# Altium PCB FOC_DRIVER.PcbDoc (part 2 of 4) (continued)
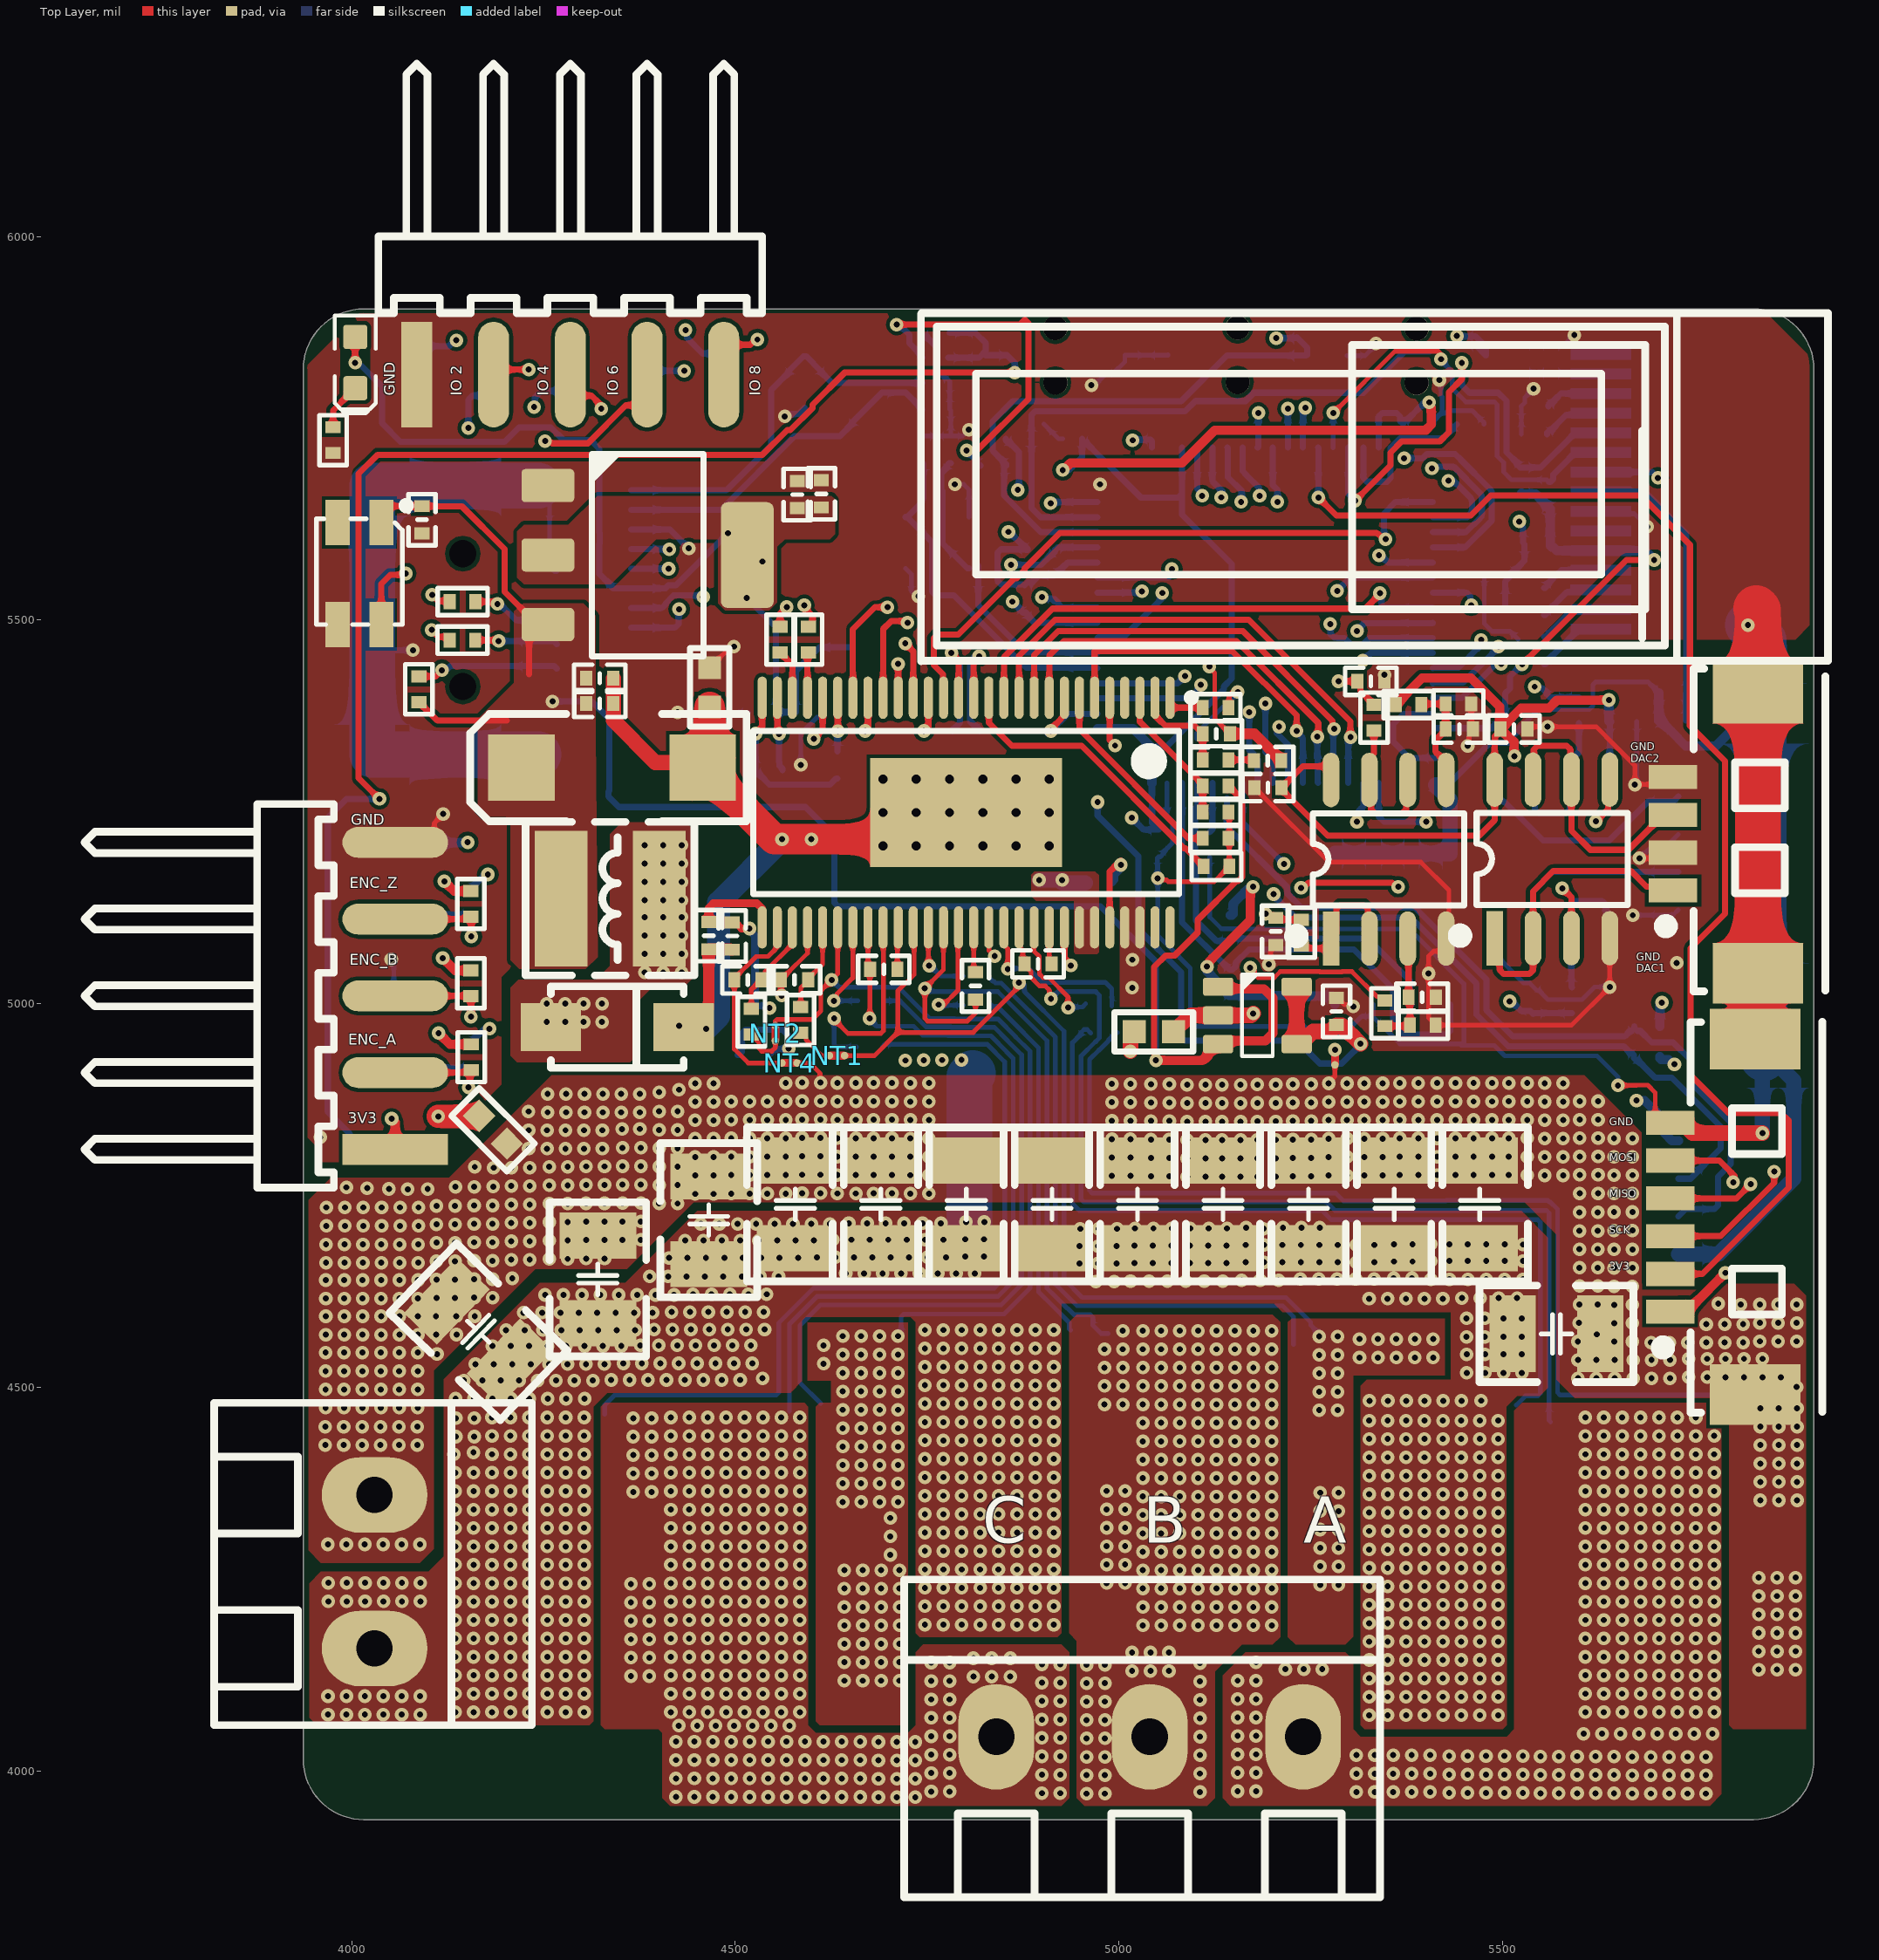
[diagram p0: Top Layer view]
## Nets (pads, with @x,y where several pads share a name; then routed paths per layer and width w, separated by ;. In a path a pad name is that pad's centre, name@x,y a point inside that pad or via, vN(x,y) a via of type N, cw(c..) or ccw(c..) an arc to the next point about the centre after c; other vN are vias at no path point) (continued)
NetC2_1: C2.1 U11.2 | length 89.3
  Bottom Layer w8: C2.1@5553.6,5478.12 5555.57,5478.12 5559.44,5481.99 5559.44,5482.18 5567.17,5489.91 5572.44,5495.18 5588.23,5510.97 5625.09,5510.97 U11.2@5627.98,5513.86
NetC2_2: C2.2 U11.1 | length 96.5
  Bottom Layer w8: C2.2@5553.6,5442.69 5555.57,5442.69 5559.45,5446.56 5559.45,5448.53 5592.58,5481.67 5592.58,5485.3 5595.47,5488.19 U11.1@5627.95,5488.19
NetC5_1: C5.1 U11.3 | length 88.8
  Bottom Layer w8: C5.1@5553.6,5506.78 5555.57,5506.78 5559.44,5510.66 5559.44,5512.63 5583.39,5536.57 5624.86,5536.57 U11.3@5627.74,5539.45
NetC5_2: C5.2 U11.4 | length 85.1
  Bottom Layer w8: C5.2@5553.6,5542.21 5555.57,5542.21 5559.44,5546.09 5559.44,5548.06 5576.43,5565.04 U11.4@5628.05,5565.04
NetC6_1: C6.1 U2.9 XT1.3 | length 453.1
  Bottom Layer w8: U2.9@4364.4,5643.77 4481.17,5643.77 4577.1,5739.7 4636.2,5739.7 4651.65,5755.14 4651.65,5757.11 4690.89,5796.36 4722.33,5796.36 C6.1@4744.08,5774.6
NetC7_2: C7.2 C8.2 U11.8 | length 377.8
  Bottom Layer w8: U11.8@5627.95,5667.32 5684.78,5667.32 5739.14,5612.96 C7.2@5739.14,5405.2 5738.71,5404.78 C8.2@5738.71,5369
NetC9_1: C9.1 U2.10 XT1.1 | length 510.4
  Bottom Layer w8: U2.10@4364.4,5669.36 4488.37,5669.36 4546.6,5727.58 4546.6,5799.7 4568.97,5822.07 4568.97,5824.04 4588.59,5843.66 4592.53,5843.66 4612.15,5824.04 4612.15,5822.88 4625.93,5809.1 4643.66,5809.1 4643.92,5809.36 4727.71,5809.36 4727.97,5809.1 C9.1@4743.98,5809.1
NetC10_2: C10.2 U1.5 XT2.3 | length 448
  Bottom Layer w8: XT2.3@4721.86,5634.36 XT2.3@4723.83,5634.36 ; C10.2@4745,5703.89 4745,5658.67 4743.45,5657.12 4743.45,5653.99 XT2.3@4723.83,5634.36 ; U1.5@4972,5437.4 4971.27,5438.13 4941.44,5438.13 4878.97,5438.13 4784.9,5532.2 4761.14,5532.2 4756.45,5536.89 4756.45,5601.74 4743.45,5614.74 XT2.3@4723.83,5634.36
NetC11_1: C11.1 C12.1 U11.14 | length 103.6
  Bottom Layer w8: C12.1@5524.9,5822.18 5626.64,5822.18 U11.14@5627.95,5820.87
NetC13_1: C13.1 U11.13 | length 76.9
  Bottom Layer w8: C13.1@5559.22,5778.4 5559.22,5780.37 5563.09,5784.24 5565.06,5784.24 5576.1,5795.28 U11.13@5627.95,5795.28
NetC14_2: C14.2 U1.6 XT2.1 | length 392.6
  Bottom Layer w8: C14.2@4780.8,5704.49 4778.83,5704.49 4774.96,5700.61 4774.96,5698.49 4768.24,5691.77 4768.24,5669.6 4769.95,5667.9 4769.95,5600.06 4802.57,5567.44 XT2.1@4804.54,5567.44 ; XT2.1@4816.6,5571.2 4816.6,5519.4 4878.18,5457.82 4971.27,5457.82 U1.6@4972,5457.09
NetC16_1: C16.1 D1.1 R8.2 U11.9 | length 412
  GND w8: v1(5521.46,5628.6) 5521.46,5628.8 5548.81,5656.15 5548.81,5659.61 5574.5,5685.3 v1(5702.3,5685.3)
  Bottom Layer w8: D1.1@5503.4,5514.92 5503.4,5550.52 5511.32,5558.43 C16.1@5511.32,5560.4 5511.32,5562.37 5515.19,5566.24 5517.16,5566.24 5528.39,5577.47 R8.2@5528.39,5599 5526.39,5600.99 5526.39,5620.84 5521.46,5625.77 v1(5521.46,5628.6) ; U11.9@5627.95,5692.91 5694.69,5692.91 v1(5702.3,5685.3)
NetC17_2: C17.2 U1.47 | length 144.7
  Bottom Layer w8: U1.47@5409,5378.35 5408.56,5377.9 5370.6,5377.9 5356.9,5364.2 5356.9,5341.9 5378.29,5320.51 C17.2@5412.5,5320.51
NetC18_2: C18.2 U1.31 | length 217.5
  Bottom Layer w8: U1.31@5318.45,5724.8 5318.45,5685.06 5323.14,5680.37 5348.91,5680.37 5353.6,5685.06 5353.6,5724.19 5366.07,5736.65 5421.64,5736.65 C18.2@5440.29,5755.3
NetC24_1: C24.1 IC3.3 R15.1 R23.2 | length 147.2
  Top Layer w8: R15.1@5346.4,4971.05 5377.97,4971.05 R23.2@5379.1,4972.18 5379.1,5006.88 C24.1@5377.3,5008.68 5377.3,5083.96 IC3.3@5376.2,5085.05
NetC40_1: C40.1 IC3.5 R24.1 R28.2 | length 146.8
  Top Layer w8: R24.1@5393.85,5390 5394.65,5390.8 R28.2@5425.59,5390.8 5425.68,5390.71 C40.1@5425.68,5358 5426.2,5357.48 5426.2,5353.9 5422.82,5353.9 5412.35,5343.43 5412.35,5328.64 5422.82,5318.18 5426.2,5318.18 IC3.5@5426.2,5291.75
NetC46_1: C46.1 R35.1 U5.2 | length 130.4
  Top Layer w8: U5.2@5046.86,5398.91 5046.86,5376.22 5048.77,5374.32 5048.77,5373.95 5060.37,5362.35 5076.69,5362.35 5076.74,5362.4 5098.61,5362.4 5103.2,5357.81 5105.17,5357.81 5109.05,5353.93 C46.1@5109.05,5351.97 R35.1@5109.05,5317.92
NetC47_1: C47.1 R35.2 | length 33.9
  Top Layer w8: R35.2@5142.51,5317.92 5175.06,5317.92 C47.1@5175.98,5317
NetC51_1: C51.1 U5.52 | length 127.6
  Top Layer w8: U5.52@4987.81,5099.69 4987.81,5172.61 5002.2,5187 5002.39,5186.81 v1(5002.39,5181.14)
  Bottom Layer w8: C51.1@4991.42,5157.3 4995.29,5161.17 4995.29,5168.19 5002.39,5175.29 v1(5002.39,5181.14)
NetC51_2: C51.2 D6.2 L1.1 U5.50 U5.51 | length 60.1
  Bottom Layer w20: v1(4895.9,5161.46) v1(4925.95,5161.46) ; v1@4925.95,5157.3 C51.2@4955.99,5157.3
  other v1: 4254.3,4976.3 4278.3,4976.3 4302.3,4976.3 4326.3,4976.3 4254.3,5000.3 4278.3,5000.3 4302.3,5000.3 4326.3,5000.3 4382,5041 4406,5041 4430,5041 4382,5065 4406,5065 4430,5065 4382,5089 4406,5089 4430,5089 4382,5113 4406,5113 4430,5113 4382,5134.9 4406,5134.9 4430,5134.9 4382,5158.9 4406,5158.9 4430,5158.9 4382,5182.9 4406,5182.9 4430,5182.9 4382,5206.9 4406,5206.9 4430,5206.9
NetC52_1: C52.1 U5.48 | length 48.9
  Top Layer w6: 4909.07,5065.23 U5.48@4909.07,5099.69 ; 4909.1,5065.2 4909.1,5055.22 C52.1@4912.22,5052.1
NetC53_1: C53.1 U5.43 | length 59.6
  Top Layer w6: U5.43@4810.64,5099.69 4810.64,5043.48 C53.1@4813.02,5041.11
NetC54_1: C54.1 U5.14 | length 168.9
  Top Layer w8: U5.14@4810.64,5398.91 4810.64,5443.43 4817.82,5450.61 v1(4817.82,5452.98)
  Bottom Layer w8: v1(4817.82,5452.98) 4816.98,5452.14 4812.04,5452.14 4805.6,5445.7 4805.6,5368.52 4812.67,5361.44 4814.64,5361.44 4818.52,5357.57 C54.1@4818.52,5355.6
NetC54_2: C54.2 U5.15 | length 173.7
  Top Layer w8: v1(4781.58,5457.52) 4781.58,5456.82 4791.16,5447.24 4791.16,5399.11 U5.15@4790.96,5398.91
  Bottom Layer w8: v1(4781.58,5457.52) 4782.7,5456.4 4782.7,5455.7 4792.6,5445.8 4792.6,5366.12 4787.91,5361.44 4786.96,5361.44 4783.09,5357.56 C54.2@4783.09,5355.6
NetC55_1: C55.1 U5.38 | length 55.1
  Top Layer w6: C55.1@4711.22,5045 4711.22,5098.69 U5.38@4712.22,5099.69
NetC56_2: C56.2 U5.23 | length 70.2
  Top Layer w8: U5.23@4633.48,5398.91 4633.57,5398.81 4633.57,5355.55 v1(4633.69,5355.43)
  Bottom Layer w8: C56.2@4633.1,5329.01 4633.1,5354.84 v1(4633.69,5355.43)
NetC57_1: C57.1 R48.1 U5.33 | length 118.9
  Top Layer w6: R48.1@4585.3,4993.55 4585.3,5020.94 4588.81,5024.46 4589.94,5024.46 4594.82,5029.33 C57.1@4594.82,5031.3 4594.82,5033.27 4599.69,5038.14 4600.24,5038.14 4613.79,5051.69 U5.33@4613.79,5099.69
NetC58_2: C58.2 U5.27 | length 97.1
  Top Layer w8: U5.27@4554.74,5398.91 4554.74,5356.79 4557.1,5354.43 v1(4557.1,5351.8)
  Bottom Layer w8: v1(4557.1,5351.8) 4557.1,5315.03 4557.34,5314.79 4557.34,5310.35 4561.21,5306.47 C58.2@4561.21,5304.5
NetC63_1: C63.1 R54.1 U5.31 | length 129.9
  Top Layer w6: R54.1@4520.9,4993.55 4520.9,5018.7 4526.56,5024.36 4529.24,5024.36 4534.12,5029.23 C63.1@4534.12,5031.2 4538.99,5036.07 4538.99,5042.43 4574.42,5077.87 U5.31@4574.42,5099.69
NetIC3_1: IC3.1 IC3.2 R21.1 | length 175.1
  Top Layer w8: R21.1@5237.5,5076.15 5239.47,5076.15 5243.44,5072.19 5269.37,5072.19 5276.2,5079.01 IC3.1@5276.2,5085.05 5283.03,5091.88 5283.03,5123.71 5287.71,5128.4 5319.29,5128.4 5323.97,5123.71 5323.97,5087.28 IC3.2@5326.2,5085.05
NetIC3_6: IC3.6 IC3.7 R26.1 | length 195.7
  Top Layer w8: R26.1@5332.2,5356.35 5332.2,5326.05 5326.2,5320.05 IC3.7@5326.2,5291.75 5328.43,5289.52 5328.43,5253.09 5333.11,5248.4 5369.29,5248.4 5373.97,5253.09 5373.97,5289.52 IC3.6@5376.2,5291.75
NetIC4_1: IC4.1 IC4.2 R22.1 | length 202.7
  Bottom Layer w8: R22.1@5590.1,5021.45 5589.4,5022.15 IC4.2@5589.4,5085.45 5589.82,5085.87 5589.82,5129.31 5594.51,5134 5629.62,5134 5634.31,5129.31 5634.31,5090.55 IC4.1@5639.4,5085.45
NetIC4_6: IC4.6 IC4.7 R27.1 | length 206.5
  Bottom Layer w8: IC4.6@5539.4,5292.15 5541.63,5289.92 5541.63,5253.49 5546.31,5248.8 5582.49,5248.8 5587.17,5253.49 5587.17,5289.92 IC4.7@5589.4,5292.15 5589.4,5318.17 5599.5,5328.27 R27.1@5599.5,5365.85
NetJP5_2: JP5.2 R10.2 | length 103.1
  Bottom Layer w8: JP5.2@4055,5110 4112.52,5110 4119.01,5116.49 R10.2@4155.4,5116.49
NetJP5_4: JP5.4 R12.2 | length 103.7
  Bottom Layer w8: JP5.4@4055,4910 4112.52,4910 4119.31,4916.79 R12.2@4155.9,4916.79
NetLED1_K: LED1.K R17.1 | length 62.9
  Top Layer w8: R17.1@3975.9,5751.35 3975.9,5773.33 LED1.K@4004.8,5802.24
NetQ1_G: Q1.G Q2.G R43.2 | length 1122.1
  Bottom Layer w6: R43.2@4956.5,4966.59 4954.53,4966.59 4949.66,4961.71 4949.66,4959.74 4939.28,4949.36 4939.28,4739.52 4948,4730.8 5264.36,4730.8 5276.36,4718.8 5545.39,4718.8 5548.9,4715.29 5548.9,4492.61 5545.39,4489.1 5529.74,4489.1 5517.82,4477.18 ; R43.2@4958.47,4966.59 R43.2@4963.35,4961.71
NetQ3_G: Q3.G Q4.G R44.2 | length 475.8
  Bottom Layer w6: R44.2@4830.93,5003.11 4830.93,5001.14 4835.81,4996.27 4841.83,4996.27 4876.31,4961.79 4876.31,4961.44 4895.1,4942.64 4895.1,4624.9 4913.23,4606.77 4935,4585 4935,4576.81 4937.01,4574.8
NetQ5_G: Q5.G Q6.G R45.2 | length 1107.2
  Bottom Layer w6: 4330,4465 4330,4477.5 4342.5,4490 4553.09,4490 4556.6,4493.51 4556.6,4584.4 4601.8,4629.6 4837.33,4629.6 4851.1,4643.37 4851.1,4924.42 4828.16,4947.36 4695.16,4947.36 R45.2@4691.5,4943.7
NetQ7_G: Q7.G Q8.G R50.2 | length 1325.3
  Bottom Layer w6: R50.2@4997.7,4962.59 4995.73,4962.59 4990.86,4957.71 4990.86,4956.73 4985.35,4951.21 4985.35,4950.84 4974.22,4939.71 4973.85,4939.71 4961.6,4927.47 4961.6,4756.81 4965.11,4753.3 5282.4,4753.3 5292.53,4743.17 5425.97,4743.17 5426.5,4743.7 5558.76,4743.7 5560.66,4741.8 5561.94,4741.8 5571.3,4732.44 5571.3,4493.67 5574.81,4490.16 5786.42,4490.16 5803.15,4473.43 5803.15,4469.49
NetQ9_G: Q9.G Q10.G R51.2 | length 805.9
  Bottom Layer w6: R51.2@4830.73,5036.11 4830.73,5034.14 4835.61,5029.27 4836.9,5029.27 4839.12,5027.05 4846.46,5027.05 4917.1,4956.4 4917.1,4634.7 4945.4,4606.4 5213.04,4606.4 5227.36,4592.08 5227.36,4556.3
NetQ11_G: Q11.G Q12.G R52.2 | length 930.5
  Bottom Layer w6: 4611.36,4479.19 4584.3,4506.25 4584.3,4580.99 4610.91,4607.6 4846.44,4607.6 4873.1,4634.26 4873.1,4933.53 4854.31,4952.32 4854.31,4952.68 4837.63,4969.36 4781.5,4969.36 4780.97,4969.9 4748.74,4969.9 4714.64,5004 R52.2@4695.17,5004
NetR1_1: R1.1 USB1.1 | length 186.5
  Top Layer w8: R1.1@4087.7,5426.75 4109.75,5426.75 v1(4117.7,5434.7)
  Bottom Layer w8: v1(4117.7,5434.7) 4119.56,5436.56 4124.97,5436.56 4128.52,5440.11 4264.27,5440.11 USB1.1@4267.36,5437.01
NetR4_1: R4.1 USB1.2 | length 108.4
  Top Layer w8: R4.1@4161.15,5473.9 4190.7,5473.9 v1(4191.7,5472.9)
  Bottom Layer w8: v1(4191.7,5472.9) 4262.97,5472.9 USB1.2@4267.36,5468.51
NetR4_2: R4.2 U2.7 | length 554.8
  Top Layer w8: v1(4104.3,5487.3) 4113.35,5478.25 4123.81,5478.25 4127.69,5474.38 R4.2@4127.69,5473.9
  GND w8: v1(4104.3,5487.3) 4104.3,5508.34 4087.04,5525.6 4087.04,5551.84 4088.61,5553.4 4088.61,5590.42 4135.98,5637.8 4299.3,5637.8 4344.91,5592.19 v1(4414.21,5592.19)
  Bottom Layer w8: U2.7@4364.4,5592.59 4413.81,5592.59 v1(4414.21,5592.19) v1@4414.6,5591.8
NetR5_1: R5.1 USB1.3 | length 115.9
  Top Layer w8: R5.1@4161.45,5524.1 4187.11,5524.1 v1(4190.06,5521.16)
  Bottom Layer w8: v1(4190.06,5521.16) 4191.92,5519.3 4195.2,5519.3 4214.5,5500 USB1.3@4267.36,5500
NetR5_2: R5.2 U2.6 | length 478.3
  Top Layer w8: v1(4104.9,5533) 4112.8,5525.1 4126.99,5525.1 R5.2@4127.99,5524.1
  GND w8: v1(4104.9,5533) 4104.9,5588.33 4141.37,5624.8 4281.5,5624.8 4339.3,5567 v1(4413.1,5567)
  Bottom Layer w8: U2.6@4364.4,5567 v1(4413.1,5567) v1@4413.3,5566.8
NetR9_2: R9.2 U11.12 | length 82.6
  Bottom Layer w8: R9.2@5557.81,5742.3 5557.81,5744.27 5561.69,5748.15 5563.66,5748.15 5582.96,5767.45 5625.71,5767.45 U11.12@5627.95,5769.69
NetR40_2: R40.2 U5.1 | length 54.4
  Top Layer w8: U5.1@5066.55,5398.91 5066.55,5387.76 5068.31,5386 R40.2@5109.05,5386
NetR41_2: R41.2 R42.1 U5.3 | length 183
  Top Layer w8: U5.3@5027.18,5398.91 5027.18,5367.72 5048.53,5346.37 5105.17,5289.73 5109.05,5285.85 R42.1@5109.05,5249.84
NetR46_2: R46.2 U5.7 | length 260.6
  Top Layer w8: U5.7@4948.44,5398.91 4948.44,5357.66 5090.3,5215.8 R46.2@5109.05,5215.8
NetR49_2: R49.2 U5.25 | length 59.6
  Top Layer w8: U5.25@4594.11,5398.91 4594.11,5456.7 R49.2@4595.4,5457.99
NetR53_2: R53.2 U5.26 | length 66.9
  Top Layer w8: R53.2@4558.3,5457.99 4560.27,5457.99 4564.15,5454.11 4564.15,5452.14 4574.42,5441.87 U5.26@4574.42,5398.91
nFAULT: U1.54 U5.6 | length 450.4
  Top Layer w8: U5.6@4968.12,5398.91 4968.12,5459.72 5147.63,5459.72 5231.4,5375.96 v1(5231.4,5355.7)
  Bottom Layer w8: v1(5231.4,5355.7) 5231.4,5354.47 5239.71,5346.16 U1.54@5239.71,5287.8
nOCTW: U1.37 U5.5 | length 1231.5
  Top Layer w8: U5.5@4987.81,5398.91 4987.81,5343.87 4993.65,5338.03 4993.65,5337.71 v1(4994.8,5336.55) ; v1(5237.2,5151.2) 5239.83,5151.2 5246.63,5158 5355.75,5158 5361.11,5152.64 v1(5363.74,5152.64)
  POWER w8: v1(4994.8,5336.55) 4995.96,5335.4 5089.6,5335.4 5108.9,5316.1 5108.9,5141 5163,5086.9 5225.76,5086.9 5237.5,5098.64 5237.5,5150.9 v1(5237.2,5151.2) ; v1(5338.7,5584.46) 5340.52,5582.64 5362.31,5582.64 5367,5577.95 v1@5367,5154.65
  Bottom Layer w8: v1(5338.7,5584.46) 5341.33,5584.46 5350.59,5575.2 U1.37@5409,5575.2
nRST: C41.2 JP5.5 R33.2 S1.1 U1.7 | length 2668.1
  Top Layer w8: v1(4036.3,5267.1) 4009.2,5294.2 4009.2,5690.9 4033.9,5715.6 4535.51,5715.6 4567.6,5747.68 4571.86,5747.68 4600.59,5776.42 4600.59,5780.68 4642.44,5822.53 v1(4864.03,5822.53)
  GND w8: v1(4864.03,5822.53) 4867.48,5819.04 4867.48,5757.99 4872.16,5753.3 5039.1,5753.3 5056,5736.4 5056,5650.27 5051.06,5645.33 5051.06,5559.2 5056,5554.27 5056,5535.72 v1(5056.26,5535.46)
  Bottom Layer w8: v1(4036.3,5267.1) 3993.4,5267.1 3969,5242.7 3969,4859.22 3997.52,4830.7 3997.52,4827.36 4014.88,4810 JP5.5@4055,4810 ; R33.2@4777.31,5841.9 4817.59,5841.9 4826.55,5850.86 4826.55,5860.89 4812.83,5874.6 C41.2@4779.01,5874.6 ; S1.1@4826.55,5845.2 4854.31,5845.2 4864.16,5835.35 4864.16,5822.66 v1(4864.03,5822.53) ; U1.7@4972,5476.77 4972.73,5477.5 5005.3,5477.5 5056,5528.2 5056,5535.2 v1(5056.26,5535.46)
OLED_SCL: R6.2 U1.29 U11.10 | length 582.6
  Top Layer w6: v1@5281.42,5772.22 5359.5,5850.3 5416.09,5850.3 5419.6,5846.79 v1(5419.6,5840.06)
  Bottom Layer w6: U1.29@5279.08,5724.8 5279.08,5772.48 v1(5279.08,5770.08) ; v1(5419.6,5840.06) 5419.6,5838.5 5434.3,5823.8 5434.3,5801.87 5451.84,5784.33 5489.19,5784.33 5492.7,5780.82 5492.7,5713.74 5501.2,5705.24 5501.2,5693.18 5511.34,5683.04 5557.37,5683.04 R6.2@5560.1,5680.31
  Bottom Layer w8: R6.2@5560.1,5680.31 5562.07,5680.31 5565.94,5684.19 5565.94,5689.89 5591.66,5715.61 5625.06,5715.61 U11.10@5627.95,5718.5
OLED_SDA: R7.2 U1.30 U11.11 | length 652.9
  Top Layer w8: v1(5307.62,5655.62) 5353.6,5701.6 5353.6,5718.27 5368.03,5732.7 5417.69,5732.7 5429.99,5745 5429.99,5797.29 5446.68,5813.98 v1(5446.68,5835.25)
  Bottom Layer w8: U1.30@5298.77,5724.8 5298.77,5665.17 5307.62,5656.31 v1(5307.62,5655.62) ; v1(5446.68,5835.25) 5446.68,5806.46 5456.81,5796.33 5477.19,5796.33 5494.16,5796.33 5504.7,5785.79 5504.7,5772.32 5504.7,5718.71 5518.65,5704.76 5518.65,5702.79 5522.53,5698.91 R7.2@5524.5,5698.91 5549.37,5698.91 5591.67,5741.21 5625.05,5741.21 U11.11@5627.94,5744.1
RGB_LED: U1.23 U10.4 | length 1622.4
  Top Layer w8: U10.4@4038.74,5494.2 4038.74,5547.16 4050.53,5558.94 4068.89,5558.94 v1(4070.75,5560.8)
  GND w8: v1(4070.75,5560.8) 4070.75,5590.95 4130.6,5650.8 4535.06,5650.8 4553.41,5669.15 4768.69,5669.15 4778.7,5659.14 4838.44,5659.14 4846.17,5666.87 4846.17,5835.98 4851.43,5841.24 4878.76,5841.24 4883.44,5836.56 4883.44,5781.74 4892.99,5772.2 5046.2,5772.2 5115.25,5703.15 5135.38,5703.15 5174.51,5664.02 5181.38,5664.02 v1(5183.24,5662.16)
  Bottom Layer w8: U1.23@5160.97,5724.8 5160.97,5694.24 5165.75,5689.47 5165.75,5689.1 5182.9,5671.95 5182.9,5662.5 v1(5183.24,5662.16)
SCL_A: IC2.6 R11.2 U1.61 | length 526.8
  Bottom Layer w8: U1.61@5101.92,5287.8 5101.92,5257.24 5099.35,5254.67 5099.35,5179.55 5100.48,5178.42 5100.48,5108.31 5126.81,5081.99 R11.2@5145,5081.99 5148.2,5085.19 5324.21,5085.19 5379.26,5030.14 5379.26,5001.31 IC2.6@5381.5,4999.07
SDA_A: IC2.5 R13.2 U1.62 | length 681.3
  Bottom Layer w8: U1.62@5082.23,5287.8 5082.23,5106.21 5140.05,5048.39 5143.93,5044.51 R13.2@5147.87,5044.51 ; R13.2@5145.9,5044.51 R13.2@5147.87,5044.51 ; IC2.5@5431.5,4999.07 5431.41,4998.99 5431.41,4964.59 5426.73,4959.9 5371.07,4959.9 5357,4973.97 5357,5019.91 5306.11,5070.8 5169.38,5070.8 5151.74,5053.16 5151.74,5048.39 R13.2@5147.87,5044.51
SH_A: C52.2 JP9.3 Q1.S Q2.S Q7.D Q8.D U5.46 | length 1349.8
  Top Layer w6: U5.46@4869.7,5099.69 4870.81,5098.58 4870.81,5072.82 4874.46,5069.17 4874.46,5052.46 4881.66,5045.26 4881.83,5045.26 4885.34,5041.75 4885.34,5034.39 4896.47,5023.26 4903.83,5023.26 4909.27,5017.82 4909.27,5008.63 v1(4911.3,5006.6)
  Bottom Layer w6: v1(4911.3,5006.6) 4920.63,5015.93 4969.66,5015.93 4974.35,5011.24 4974.35,4955.4 4969.66,4950.71 4969.29,4950.71 4950.6,4932.02 4950.6,4745.31 4954.11,4741.8 5268.91,4741.8 5269.41,4741.3 5270.83,4741.3 5281.33,4730.8 5556.79,4730.8 5560.3,4727.29 5560.3,4456.98 Q2.S@5562.28,4455
  other v1: 5549,3971.3 5573,3971.3 5597,3971.3 5621,3971.3 5645,3971.3 5668.8,3970.8 5692.8,3970.8 5716.8,3970.8 5740.8,3970.8 5764.8,3970.8 5430.2,3971.8 5454.2,3971.8 5478.2,3971.8 5502.2,3971.8 5526.2,3971.8 5309.3,3972.9 5333.3,3972.9 5357.3,3972.9 5381.3,3972.9 5405.3,3972.9 5154.5,3974 5178.5,3974 5549,3995.3 5573,3995.3 5597,3995.3 5621,3995.3 5645,3995.3 5668.8,3994.8 5692.8,3994.8 5716.8,3994.8 5740.8,3994.8 5764.8,3994.8 5430.2,3995.8 5454.2,3995.8 5478.2,3995.8 5502.2,3995.8 5526.2,3995.8 5309.3,3996.9 5333.3,3996.9 5357.3,3996.9 5381.3,3996.9 5405.3,3996.9 5154.5,3998 5178.5,3998 5549,4019.3 5573,4019.3 5597,4019.3 5621,4019.3 5645,4019.3 5668.8,4018.8 5692.8,4018.8 5716.8,4018.8 5740.8,4018.8 5764.8,4018.8 5430.2,4019.8 5454.2,4019.8 5478.2,4019.8 5502.2,4019.8 5526.2,4019.8 5309.3,4020.9 5333.3,4020.9 5357.3,4020.9 5381.3,4020.9 5405.3,4020.9 5154.5,4022 5178.5,4022 5154.5,4046 5178.5,4046 5605.4,4048.8 5629.4,4048.8 5653.4,4048.8 5677.4,4048.8 5701.4,4048.8 5725.4,4048.8 5749.4,4048.8 5773.4,4048.8 5154.5,4070 5178.5,4070 5607.6,4077 5631.6,4077 5655.6,4077 5679.6,4077 5703.6,4077 5727.6,4077 5751.6,4077 5775.6,4077 5154.5,4094 5178.5,4094 5607.6,4101 5631.6,4101 5655.6,4101 5679.6,4101 5703.6,4101 5727.6,4101 5751.6,4101 5775.6,4101 5154.5,4118 5178.5,4118 5607.6,4125 5631.6,4125 5655.6,4125 5679.6,4125 5703.6,4125 5727.6,4125 5751.6,4125 5775.6,4125 5216.8,4133 5240.8,4133 5264.8,4133 5178.5,4142 5607.6,4149 5631.6,4149 5655.6,4149 5679.6,4149 5703.6,4149 5727.6,4149 5751.6,4149 5775.6,4149 5607.6,4173 5631.6,4173 5655.6,4173 5679.6,4173 5703.6,4173 5727.6,4173 5751.6,4173 5775.6,4173 5607.6,4197 5631.6,4197 5655.6,4197 5679.6,4197 5703.6,4197 5727.6,4197 5751.6,4197 5775.6,4197 5607.6,4221 5631.6,4221 5655.6,4221 5679.6,4221 5703.6,4221 5727.6,4221 5751.6,4221 5775.6,4221 5607.6,4245 5631.6,4245 5655.6,4245 5679.6,4245 5703.6,4245 5727.6,4245 5751.6,4245 5775.6,4245 5607.6,4269 5631.6,4269 5655.6,4269 5679.6,4269 5703.6,4269 5727.6,4269 5751.6,4269 5775.6,4269 5607.6,4293 5631.6,4293 5655.6,4293 5679.6,4293 5703.6,4293 5727.6,4293 5751.6,4293 5775.6,4293 5607.6,4317 5631.6,4317 5655.6,4317 5679.6,4317 5703.6,4317 5727.6,4317 5751.6,4317 5775.6,4317 5607.6,4341 5631.6,4341 5655.6,4341 5679.6,4341 5703.6,4341 5727.6,4341 5751.6,4341 5775.6,4341 5607.6,4365 5631.6,4365 5655.6,4365 5679.6,4365 5703.6,4365 5727.6,4365 5751.6,4365 5775.6,4365 5607.6,4389 5631.6,4389 5655.6,4389 5679.6,4389 5703.6,4389 5727.6,4389 5751.6,4389 5775.6,4389 5607.6,4413 5631.6,4413 5655.6,4413 5679.6,4413 5703.6,4413 5727.6,4413 5751.6,4413 5775.6,4413 5607.6,4437 5631.6,4437 5655.6,4437 5679.6,4437 5703.6,4437 5727.6,4437 5751.6,4437 5775.6,4437 5607.6,4461 5631.6,4461 5655.6,4461 5679.6,4461 5703.6,4461 5727.6,4461 5751.6,4461
SH_B: C53.2 JP9.2 Q3.S Q4.S Q9.D Q10.D U5.41 | length 829.9
  Top Layer w6: U5.41@4771.27,5099.69 4771.27,5044.42 v1(4746.98,5020.12) 4746.98,4981.02 4750.5,4977.5 4802.47,4977.5 4813.02,4988.05 C53.2@4813.02,5003.2
  Bottom Layer w6: v1@4751.05,5016.05 4833.82,5016.05 4841.9,5016.05 4906.1,4951.85 4906.1,4629.46 4917.78,4617.77 4932.56,4603 4933.24,4603 4941.24,4595 4962.48,4595 4965.99,4591.49 4965.99,4581.06 4976.77,4570.28 Q4.S@4985.63,4570.28
  other v1: 4957.7,3970.8 4981.7,3970.8 5105.5,3973 4957.7,3994.8 4981.7,3994.8 5105.5,3997 4957.7,4018.8 4981.7,4018.8 5105.5,4021 4957.7,4042.8 4981.7,4042.8 5105.5,4045 4957.7,4066.8 4981.7,4066.8 5105.5,4069 4957.7,4090.8 4981.7,4090.8 5105.5,4093 4957.7,4114.8 4981.7,4114.8 5105.5,4117 5017,4130.7 5041,4130.7 5065,4130.7 4957.7,4138.8 4981.7,4138.8 5105.5,4141 5017,4154.7 5041,4154.7 5065,4154.7 5031,4190 5055,4190 5079,4190 5103,4190 5127,4190 5151,4190 5175,4190 5199,4190 5031,4214 5055,4214 5079,4214 5103,4214 5127,4214 5151,4214 5175,4214 5199,4214 5031,4238 5055,4238 5079,4238 5103,4238 5127,4238 5151,4238 5175,4238 5199,4238 4983.9,4245.28 5007.9,4245.28 5031,4262 5055,4262 5079,4262 5103,4262 5127,4262 5151,4262 5175,4262 5199,4262 4983.9,4269.28 5007.9,4269.28 5031,4286 5055,4286 5079,4286 5103,4286 5127,4286 5151,4286 5175,4286 5199,4286 4983.9,4293.28 5007.9,4293.28 5031,4310 5055,4310 5079,4310 5103,4310 5127,4310 5151,4310 5175,4310 5199,4310 4983.9,4317.28 5007.9,4317.28 5031,4334 5055,4334 5079,4334 5103,4334 5127,4334 5151,4334 5175,4334 5199,4334 4983.9,4341.28 5007.9,4341.28 5031,4358 5055,4358 5079,4358 5103,4358 5127,4358 5151,4358 5175,4358 5199,4358 4983.9,4365.28 5007.9,4365.28 5031,4382 5055,4382 5079,4382 5103,4382 5127,4382 5151,4382 5175,4382 5199,4382 5031,4406 5055,4406 5079,4406 5103,4406 5127,4406 5151,4406 5175,4406 5199,4406 5031,4430 5055,4430 5079,4430 5103,4430 5127,4430 5151,4430 5175,4430 5199,4430 5031,4454 5055,4454 5079,4454 5103,4454 5127,4454 5151,4454 5175,4454 5199,4454 4981,4478 5005,4478 5031,4478 5055,4478 5079,4478 5103,4478 5127,4478 5151,4478 5175,4478 5199,4478 4981,4502 5005,4502 5031,4502 5055,4502 5079,4502 5103,4502 5127,4502 5151,4502 5175,4502 5199,4502 4981,4526 5005,4526 5031,4526 5055,4526 5079,4526 5103,4526 5127,4526 5151,4526 5175,4526 5199,4526 4981,4550 5005,4550 5031,4550 5055,4550 5079,4550 5103,4550 5127,4550 5151,4550 5175,4550 5199,4550 5005,4574 5031,4574 5055,4574 5079,4574 5103,4574 5127,4574 5151,4574 5175,4574 5199,4574
SH_C: C55.2 JP9.1 Q5.S Q6.S Q11.D Q12.D U5.36 | length 1048
  Top Layer w6: U5.36@4672.85,5099.69 4672.85,5047.94 4675.39,5045.4 4675.39,4981.45 v1(4675,4981.06)
  Bottom Layer w6: 4570.6,4468.97 4570.6,4582.84 4606.36,4618.6 4841.89,4618.6 4862.1,4638.81 4862.1,4928.97 4843.31,4947.77 4843.31,4948.12 4833.07,4958.36 4776.95,4958.36 4776.41,4958.9 4744.19,4958.9 4732.29,4970.8 4684.37,4970.8 4675.01,4980.16 v1@4675.01,4981.04
  other v1: 4686.5,3966.2 4710.5,3966.2 4734.5,3966.2 4422.7,3966.6 4446.7,3966.6 4470.7,3966.6 4494.7,3966.6 4518.7,3966.6 4542.7,3966.6 4566.7,3966.6 4590.7,3966.6 4614.7,3966.6 4638.7,3966.6 4662.7,3966.6 4899.4,3971.4 4923.4,3971.4 4755.3,3973.6 4779.3,3973.6 4686.5,3990.2 4710.5,3990.2 4734.5,3990.2 4422.7,3990.6 4446.7,3990.6 4470.7,3990.6 4494.7,3990.6 4518.7,3990.6 4542.7,3990.6 4566.7,3990.6 4590.7,3990.6 4614.7,3990.6 4638.7,3990.6 4662.7,3990.6 4899.4,3995.4 4923.4,3995.4 4755.3,3997.6 4779.3,3997.6 4686.5,4014.2 4710.5,4014.2 4734.5,4014.2 4422.7,4014.6 4446.7,4014.6 4470.7,4014.6 4494.7,4014.6 4518.7,4014.6 4542.7,4014.6 4566.7,4014.6 4590.7,4014.6 4614.7,4014.6 4638.7,4014.6 4662.7,4014.6 4899.4,4019.4 4923.4,4019.4 4755.3,4021.6 4779.3,4021.6 4686.5,4038.2 4710.5,4038.2 4734.5,4038.2 4422.7,4038.6 4446.7,4038.6 4470.7,4038.6 4494.7,4038.6 4518.7,4038.6 4542.7,4038.6 4566.7,4038.6 4590.7,4038.6 4614.7,4038.6 4638.7,4038.6 4662.7,4038.6 4899.4,4043.4 4923.4,4043.4 4755.3,4045.6 4779.3,4045.6 4426.4,4059.3 4450.4,4059.3 4474.4,4059.3 4498.4,4059.3 4522.4,4059.3 4546.4,4059.3 4570.4,4059.3 4899.4,4067.4 4923.4,4067.4 4755.3,4069.6 4779.3,4069.6 4416,4077 4440,4077 4464,4077 4488,4077 4512,4077 4536,4077 4560,4077 4584,4077 4899.4,4091.4 4923.4,4091.4 4755.3,4093.6 4779.3,4093.6 4416,4101 4440,4101 4464,4101 4488,4101 4512,4101 4536,4101 4560,4101 4584,4101 4899.4,4115.4 4923.4,4115.4 4755.3,4117.6 4779.3,4117.6 4810.2,4123.3 4834.2,4123.3 4858.2,4123.3 4364,4124 4388,4124 4416,4125 4440,4125 4464,4125 4488,4125 4512,4125 4536,4125 4560,4125 4584,4125 4899.4,4139.4 4923.4,4139.4 4755.3,4141.6 4779.3,4141.6 4810.2,4147.3 4834.2,4147.3 4858.2,4147.3 4364,4148 4388,4148 4416,4149 4440,4149 4464,4149 4488,4149 4512,4149 4536,4149 4560,4149 4584,4149 4364,4172 4388,4172 4416,4173 4440,4173 4464,4173 4488,4173 4512,4173 4536,4173 4560,4173 4584,4173 4364,4196 4388,4196 4416,4197 4440,4197 4464,4197 4488,4197 4512,4197 4536,4197 4560,4197 4584,4197 4364,4220 4388,4220 4416,4221 4440,4221 4464,4221 4488,4221 4512,4221 4536,4221 4560,4221 4584,4221 4364,4244 4388,4244 4416,4245 4440,4245 4464,4245 4488,4245 4512,4245 4536,4245 4560,4245 4584,4245 4416,4269 4440,4269 4464,4269 4488,4269 4512,4269 4536,4269 4560,4269 4584,4269 4416,4293 4440,4293 4464,4293 4488,4293 4512,4293 4536,4293 4560,4293 4584,4293 4416,4317 4440,4317 4464,4317 4488,4317 4512,4317 4536,4317 4560,4317 4584,4317 4416,4341 4440,4341 4464,4341 4488,4341 4512,4341 4536,4341 4560,4341 4584,4341 4367,4364 4391,4364 4416,4365 4440,4365 4464,4365 4488,4365 4512,4365 4536,4365 4560,4365 4584,4365 4367,4388 4391,4388 4416,4389 4440,4389 4464,4389 4488,4389 4512,4389 4536,4389 4560,4389 4584,4389 4367,4412 4391,4412 4416,4413 4440,4413 4464,4413 4488,4413 4512,4413 4536,4413 4560,4413 4584,4413 4367,4436 4391,4436 4416,4437 4440,4437 4464,4437 4488,4437 4512,4437 4536,4437 4560,4437 4584,4437 4367,4460 4391,4460 4416,4461 4440,4461 4464,4461 4488,4461 4512,4461 4536,4461 4560,4461 4584,4461